# Altium PCB HallFM.PcbDoc (continued)
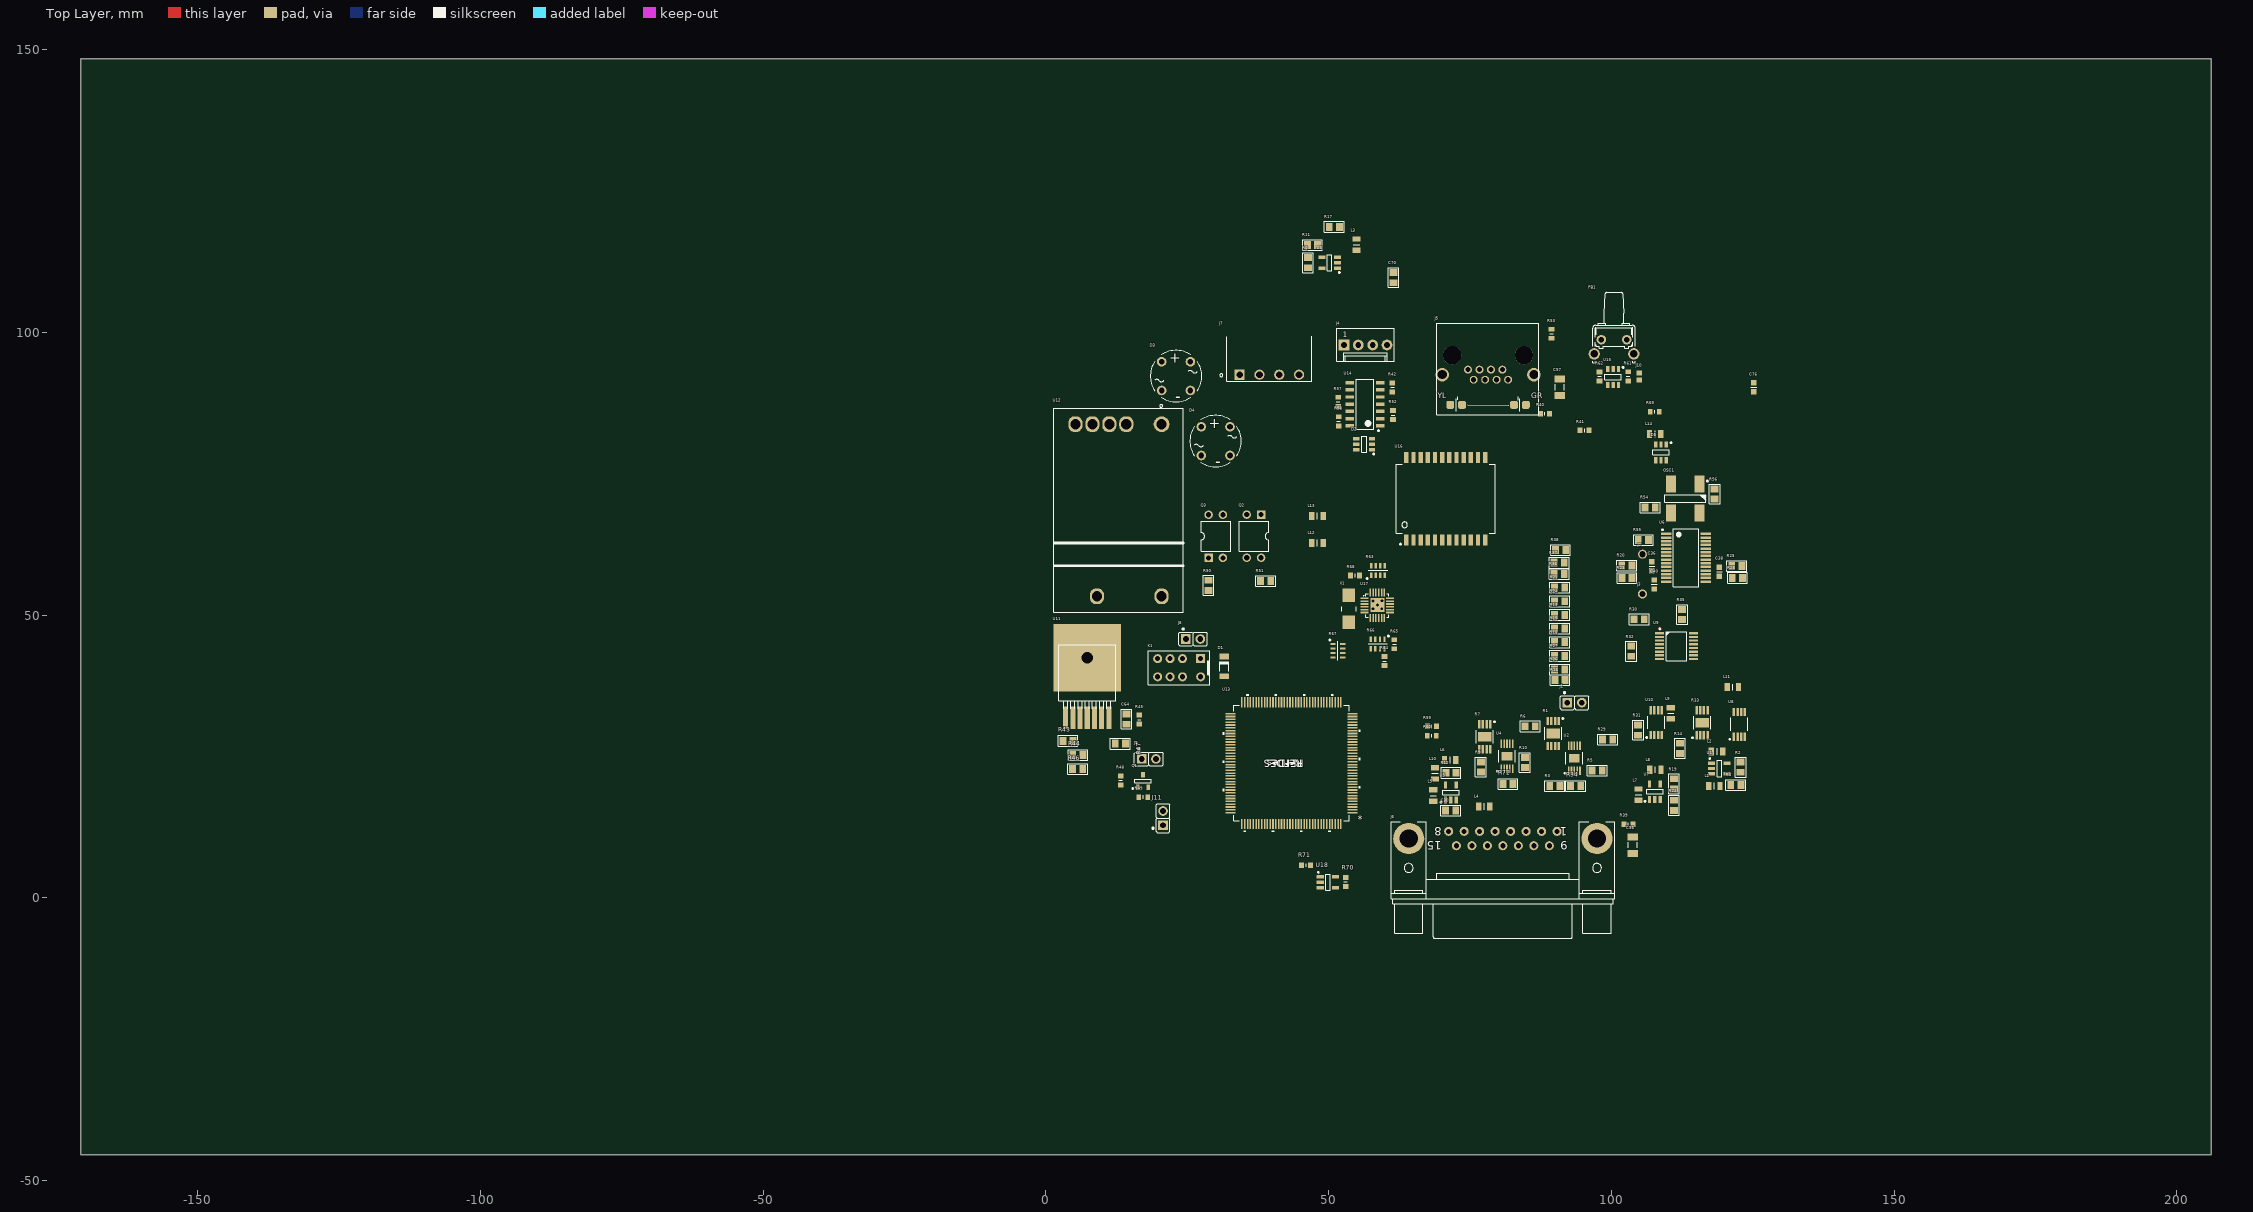
[diagram p0: Top Layer view]
## Components (designator, comment, footprint, x,y, rotation, side; value= is the part's Value field where it differs from the comment) (continued)
R41 "300" RESC1608X64N 95.25,82.65 r180 top
R42 ".100k" RESC1608X64N 61.25,90.25 r90 top
R43 "27k" SMD0805RES 2.898,27.748 r0 top
R44 "3k3" SMD0805RES 4.648,25.248 r0 top
R45 "4k7" RESC1608X64N 16.5,31.5 r270 top
R46 "1k5" SMD0805RES 6.602,22.752 r180 top
R47 "1k" SMD0805RES 14.152,27.252 r180 top
R48 "27k" RESC1608X64N 13.2,20.75 r270 top
R49 "27k" RESC1608X64N 17.2,17.8 r0 top
R50 "4k7" SMD0805RES 28.75,56.25 r270 top
R51 "20k" SMD0805RES 37.848,55.998 r0 top
R52 ".100" RESC1608X64N 61.375,85.35 r90 top
R53 ".100" RESC1608X64N 89.4,99.75 r90 top
R54 "0" SMD0805RES 107.852,69.002 r180 top
R55 "0" SMD0805RES 104.648,63.248 r0 top
R56 "1k" SMD0805RES 118.252,70.398 r90 top
R57 ".100" RESC1608X64N 51.675,87.7 r270 top
R58 ".100" RESC1608X64N 51.75,84.25 r90 top
R59 "1k5" RESC1608X64N 68.25,30.3 r0 top
R60 "1k5" RESC1608X64N 68.225,28.65 r180 top
R61 ".20k" RESC1608X64N 102.95,92.208 r90 top
R62 ".100k" RESC1608X64N 97.875,92.183 r270 top
R63 "49.9" CAY16x4 58.7,57.875 r90 top
R64 "10k" RESC1608X64N 59.875,41.85 r270 top
R65 "1k5" RESC1608X64N 61.6,44.825 r90 top
R66 "10k" CAY16x4 58.65,44.875 r270 top
R67 "33" CAY16x4 51.6,43.69 r0 top
R68 "12k1" RESC1608X64N 54.65,57 r0 top
R69 "10k" RESC1608X64N 107.65,85.95 r0 top
R70 "1k5" RESC1608X64N 53,2.8 r90 top
R71 "1k5" RESC1608X64N 46,5.75 r0 top
R72 "1k" SMD0805RES 82.702,20.102 r180 top
U1 "ADP7118-5.0-" SOT23-5 119.075,22.85 r0 top value=-5.0-
U2 "LT3042" SOP50P490X110-11N-R157X188 93.425,24.675 r90 top
U3 "ADP7118-5.0-" SOT23-5 50.175,112.3 r180 top value=-5.0-
U4 "LT3042" SOP50P490X110-11N-R157X188 81.525,25.025 r90 top
U5 "ADP7118-5.0-" SOT23-5 71.6,18.6 r90 top value=-5.0-
U6 "#NAME?" SOP65P780X200-28N 113.15,60.125 r0 top
U7 "ADP7118-3.3-" SOT23-5 107.675,18.75 r90 top value=-3.3-
U8 "LTC6655-2.5" SOP65P488X110-8N 122.625,30.675 r90 top value=-2.5
U9 "ADG1609" TSSOP-16 111.5,44.5 r0 top
U10 "ADA4522" SOP65P488X110-8N 107.925,30.975 r90 top
U11 "LMZ12003EXT" "NATIONAL_TO-PMOD-7 (TZA07A)" 7.3,37.154 r90 top
U12 "MYBSP0122BABFT+CB122BABFT" "MURATA_MYBSP0122BABFT_0 - DUPLICATE" 14.025,67.475 r270 top value=122BABFT
U13 "STM32F756ZGT6" LQFP-144_STM-M 43.4,23.8 r180 top
U14 "74HC14D" SOIC127P600X175-14N 56.4,87.275 r180 top
U15 "TPS38083V3" SOT95P270X145-6N 100.3,92.083 r270 top value=3V3
U16 "H5007NL" XFMR_PULSE_H5007NL 70.695,70.553 r90 top
U17 "LAN8742A-CZ" QFN24_0R5_4X4 58.6,51.795 r0 top
U18 "AT24C1616M5" SOT23-5 49.85,2.75 r0 top value=16M5
X1 "AA-25.000MHz" XTAL_AA 53.575,51.1 r270 top value=25.000MHz

## Footprints (in the part's own frame and the unit in brackets; to place one, negate y for a bottom-side part, rotate by r counter-clockwise, add the part's x,y. Pads: shape width x height; smd on the part's side, far side on the other; paste and mask are expansions set on the pad)
AMPHENOL_L717DFA15S1ATN [mm] "Right Angled D-Sub 15 Female Contacts with Metal Bracket and Front Female Screwlock (UNC4-40)"
  round 1.6 hole 0.9: 1(-9.59,-1.27) 2(-6.85,-1.27) 3(-4.11,-1.27) 4(-1.37,-1.27) 5(1.37,-1.27) 6(4.11,-1.27) 7(6.85,-1.27) 8(9.59,-1.27) 9(-8.22,1.27) 10(-5.48,1.27) 11(-2.74,1.27) 12(0,1.27) 13(2.74,1.27) 14(5.48,1.27) 15(8.22,1.27)
  round 5.5 hole 3.2: 16(-16.65,0) 17(16.65,0)
  silkscreen extent -19.75,-2.93 19.75,17.67, body extent -19.75,-2.93 19.75,17.67, height 13.45
CAPC1206 [mm]
  rect 1.2x1.8 smd: 1(-1.45,0) 2(1.45,0)
  silkscreen extent -0.5,-0.8 0.5,0.8, body extent -1.7,-0.9 1.7,0.9, height 0.7
CAPC1608X87N [mm]
  rect 0.95x1 smd: 1(-0.8,0) 2(0.8,0)
  silkscreen extent 0,-0.5 0,0.5, body extent -0.87,-0.47 0.88,0.48, height 0.87
CAY16x4 [mm] "Capacitor, Non-Polarized,Chip Array, 0.80mm Pitch; 8 Pin, 1.6mm W X 3.20mm L X 0.90mm H, IPC Medium Density"
  rect 0.95x0.4 smd: 1(-0.85,1.2) 2(-0.85,0.4) 3(-0.85,-0.4) 4(-0.85,-1.2) 5(0.85,-1.2) 6(0.85,-0.4) 7(0.85,0.4) 8(0.85,1.2)
  silkscreen extent -1.52,-1.7 0,2.02, body extent -0.87,-1.67 0.88,1.68, height 0.9
DIOMELF3515N [mm] "SOD80C, MELF Diode, 2-Leads, Body 3.5x1.5mm, IPC Medium Density"
  rect 1x1.75 smd: 1(-1.75,0) 2(1.75,0)
  silkscreen extent -0.85,-0.8 0.85,0.8, body extent -1.85,-0.8 1.85,0.8, height 1.6
DIP4-300 [mm] "DIP 4 Leads, Row Spacing 7.62 mm; Pitch 2.54 mm"
  rect 1.5x1.5 hole 0.9: 1(-3.81,1.27)
  round 1.5 hole 0.9: 2(-3.81,-1.27) 3(3.81,-1.27) 4(3.81,1.27)
  silkscreen extent -2.65,-2.61 2.65,2.61, body extent -3.93,-2.54 3.94,2.54, height 5.33
LQFP-144_STM-M [mil]
  rect 70x11 smd paste+0 mask+0: 1(-424,344.49) 2(-424,324.8) 3(-424,305.12) 4(-424,285.43) 5(-424,265.75) 6(-424,246.06) 7(-424,226.38) 8(-424,206.69) 9(-424,187.01) 10(-424,167.32) 11(-424,147.64) 12(-424,127.95) 13(-424,108.27) 14(-424,88.58) 15(-424,68.9) 16(-424,49.21) 17(-424,29.53) 18(-424,9.84) 19(-424,-9.84) 20(-424,-29.53) 21(-424,-49.21) 22(-424,-68.9) 23(-424,-88.58) 24(-424,-108.27) 25(-424,-127.95) 26(-424,-147.64) 27(-424,-167.32) 28(-424,-187.01) 29(-424,-206.69) 30(-424,-226.38) 31(-424,-246.06) 32(-424,-265.75) 33(-424,-285.43) 34(-424,-305.12) 35(-424,-324.8) 36(-424,-344.49) 73(424,-344.49) 74(424,-324.8) 75(424,-305.12) 76(424,-285.43) 77(424,-265.75) 78(424,-246.06) 79(424,-226.38) 80(424,-206.69) 81(424,-187.01) 82(424,-167.32) 83(424,-147.64) 84(424,-127.95) 85(424,-108.27) 86(424,-88.58) 87(424,-68.9) 88(424,-49.21) 89(424,-29.53) 90(424,-9.84) 91(424,9.84) 92(424,29.53) 93(424,49.21) 94(424,68.9) 95(424,88.58) 96(424,108.27) 97(424,127.95) 98(424,147.64) 99(424,167.32) 100(424,187.01) 101(424,206.69) 102(424,226.38) 103(424,246.06) 104(424,265.75) 105(424,285.43) 106(424,305.12) 107(424,324.8) 108(424,344.49)
  rect 11x70 smd paste+0 mask+0: 37(-344.49,-424) 38(-324.8,-424) 39(-305.12,-424) 40(-285.43,-424) 41(-265.75,-424) 42(-246.06,-424) 43(-226.38,-424) 44(-206.69,-424) 45(-187.01,-424) 46(-167.32,-424) 47(-147.64,-424) 48(-127.95,-424) 49(-108.27,-424) 50(-88.58,-424) 51(-68.9,-424) 52(-49.21,-424) 53(-29.53,-424) 54(-9.84,-424) 55(9.84,-424) 56(29.53,-424) 57(49.21,-424) 58(68.9,-424) 59(88.58,-424) 60(108.27,-424) 61(127.95,-424) 62(147.64,-424) 63(167.32,-424) 64(187.01,-424) 65(206.69,-424) 66(226.38,-424) 67(246.06,-424) 68(265.75,-424) 69(285.43,-424) 70(305.12,-424) 71(324.8,-424) 72(344.49,-424) 109(344.49,424) 110(324.8,424) 111(305.12,424) 112(285.43,424) 113(265.75,424) 114(246.06,424) 115(226.38,424) 116(206.69,424) 117(187.01,424) 118(167.32,424) 119(147.64,424) 120(127.95,424) 121(108.27,424) 122(88.58,424) 123(68.9,424) 124(49.21,424) 125(29.53,424) 126(9.84,424) 127(-9.84,424) 128(-29.53,424) 129(-49.21,424) 130(-68.9,424) 131(-88.58,424) 132(-108.27,424) 133(-127.95,424) 134(-147.64,424) 135(-167.32,424) 136(-187.01,424) 137(-206.69,424) 138(-226.38,424) 139(-246.06,424) 140(-265.75,424) 141(-285.43,424) 142(-305.12,424) 143(-324.8,424) 144(-344.49,424)
  silkscreen extent -479,-479 479,479, body extent -437,-437 437,437, height 63
Molex-43860-0010 [mm] "1 Port, 8 Positions, CAT5 RJ45 Modular Connector With Yellow And Green LEDs"
  round 3.25 hole 3.25 unplated: 0(-2.54,9.906) 0(-2.54,-2.794)
  round 1.4 hole 0.9: 1(0,0) 2(1.778,1.016) 3(0,2.032) 4(1.778,3.048) 5(0,4.064) 6(1.778,5.08) 7(0,6.096) 8(1.778,7.112)
  rrect50% 1.4x1.4 smd: 9(6.223,-3.124) 10(6.223,-1.041) 11(6.223,10.236) 12(6.223,8.153)
  round 2.4 hole 1.6: 13(0.889,-4.547) 14(0.889,11.659)
  silkscreen extent -8.22,-5.5 7.94,12.56, body extent -8.22,-5.5 7.94,12.56, height 2.75
"MURATA_MYBSP0122BABFT_0 - DUPLICATE" [mm]
  round 2.8 / inner rrect91% 2.8x2.2 / far side rrect91% 2.8x2.2 hole 1.8: 1(-16.27,6.42)
  rrect91% 2.8x2.5 hole 1.8: 2(-16.27,0.18) 3(-16.27,-2.82) 4(-16.27,-5.82) 5(-16.27,-8.82) 6(14.17,-5.01) 7(14.17,6.42)
  silkscreen extent -19.75,-12.65 16.95,10.25, body extent -18.77,-12.34 16.73,10.06, height 11.15
"NATIONAL_TO-PMOD-7 (TZA07A)" [mm] "TO-PMOD 7 Pin Package, NATIONAL Package TZA07A, 1.70mm pitch; 9.85mm L X 10.16mm W X 4.67mm H body"
  rect 4x0.89 smd: 1(-5.339,3.81) 2(-5.339,2.54) 3(-5.339,1.27) 4(-5.339,0) 5(-5.339,-1.27) 6(-5.339,-2.54) 7(-5.339,-3.81)
  rect 12x12 hole 2 unplated: 8(5.291,0)
  silkscreen extent -3.73,-5.08 7.57,5.08, body extent -6.2,-5.08 7.57,5.08, height 4.77
OSC_JAUCH_VX3 [mm] "SMD Oscillator, Side Convave, 4 pins, 5.00x7.00mm, VX3 Serie"
  rect 3x1.8 smd: 1(-2.6,2.54) 2(-2.6,-2.54) 3(2.6,-2.54) 4(2.6,2.54)
  silkscreen extent -3.22,-3.6 0.7,4.07, body extent -2.6,-3.6 2.6,3.6, height 1.75
PB_ALPS_SKHHLQA010 [mm] "Body 6x6mm, Stem height 8.35mm, Horizontal Pushbutton Switch, ALPS Serie SKHH"
  round 1.7 hole 1: 1(-1.25,-2.25) 2(-1.25,2.25)
  round 2 hole 1.3: 3(1.25,-3.5) 4(1.25,3.5)
  silkscreen extent -9.6,-3.75 2.8,3.75, body extent -9.6,-4.25 2.8,4.25, height 7.4
PCBJumper [mm]
  rect 0.85x1 smd: 1(-0.6,0) 2(0.6,0)
PLS1 [mm]
  round 1.6 hole 1.1: 1(0,0)
PLS2 [mm] "2 Contacts Straight Strip Header Pitch 2.54mm L=6.7mm ''Mini-Wire-Wrap''"
  rect 1.7x1.7 hole 1: 1(0,0)
  round 1.7 hole 1: 2(2.54,0)
  silkscreen extent -1.27,-1.23 3.81,1.93, body extent -1.22,-1.25 3.86,1.25, height 9.5
QFN24_0R5_4X4 [mm] "SQFN 24 Pins, Pitch 0.5mm, 4mmx4mm"
  rect 1.4x0.28 smd: 1(-2.255,1.15) 2(-2.255,0.65) 3(-2.255,0.15) 4(-2.255,-0.35) 5(-2.255,-0.85) 6(-2.255,-1.35) 13(2.255,-1.35) 14(2.255,-0.85) 15(2.255,-0.35) 16(2.255,0.15) 17(2.255,0.65) 18(2.255,1.15)
  rect 0.28x1.4 smd: 7(-1.25,-2.355) 8(-0.75,-2.355) 9(-0.25,-2.355) 10(0.25,-2.355) 11(0.75,-2.355) 12(1.25,-2.355) 19(1.25,2.155) 20(0.75,2.155) 21(0.25,2.155) 22(-0.25,2.155) 23(-0.75,2.155) 24(-1.25,2.155)
  rect 2.5x2.5 smd: 25(0,0)
  silkscreen extent -2.46,-2.15 2.05,1.95, body extent -2.05,-2.15 2.05,1.95, height 1
RECTRON_RB15 [mm] "Bridge Rectifier, Body 9.1mm diam. x 3.8mm H, RECTRON Case Type RB15"
  round 1.7 hole 1: 1(-2.54,2.54) 2(-2.54,-2.54) 3(2.54,-2.54) 4(2.54,2.54)
  silkscreen extent -4.55,-4.55 4.55,4.55, body extent -4.55,-4.55 4.55,4.55, height 11.7
REL_OMRON_G6J-2P-Y [mm] "THT Relay, Body 10.9mm x 6mm, OMRON_G6J-2P"
  rect 1.6x1.6 hole 0.9: 1(-3.8,-1.6)
  round 1.6 hole 0.9: 2(-0.6,-1.6) 3(1.6,-1.6) 4(3.8,-1.6) 5(3.8,1.6) 6(1.6,1.6) 7(-0.6,1.6) 8(-3.8,1.6)
  silkscreen extent -5.45,-3 5.45,3, body extent -5.45,-3 5.45,3, height 9.3
RESC1608X64N [mm]
  rect 0.85x1 smd: 1(-0.8,0) 2(0.8,0)
  silkscreen extent 0,-0.3 0,0.3, body extent -0.87,-0.47 0.88,0.48, height 0.64
RESC2012X50N [mm]
  rect 0.95x1.45 smd: 1(-1,0) 2(1,0)
  silkscreen extent 0,-0.55 0,0.55, body extent -1.1,-0.67 1.1,0.68, height 0.5
SMD0805CAP [mm]
  rect 1.2x1.4 smd: 1(0.102,0.002) 2(1.902,0.002)
  silkscreen extent -0.75,-0.95 2.75,0.95, body extent -0.02,-0.67 2.08,0.68, height 0.9
SMD0805RES [mm]
  rect 1.2x1.4 smd: 1(0.102,0.002) 2(1.902,0.002)
  silkscreen extent -0.75,-0.95 2.75,0.95, body extent 0,-0.63 2,0.63, height 0.51
SOIC127P600X175-14N [mm] "SOIC 14, Pitch 1.27mm - Body 4x8.75mm, IPC Medium Density"
  rect 1.55x0.6 smd: 1(-2.7,3.81) 2(-2.7,2.54) 3(-2.7,1.27) 4(-2.7,0) 5(-2.7,-1.27) 6(-2.7,-2.54) 7(-2.7,-3.81) 8(2.7,-3.81) 9(2.7,-2.54) 10(2.7,-1.27) 11(2.7,0) 12(2.7,1.27) 13(2.7,2.54) 14(2.7,3.81)
  silkscreen extent -2.53,-4.4 1.55,4.78, body extent -3.1,-4.37 3.1,4.38, height 1.75
SOP50P490X110-11N-R157X188 [mm] "SOP, 0.50mm, pitch; 10 pin, 3.00mm W X 3.00mm L X 1.10mm H body (w/thermal tab  1.57 X 1.88 mm), IPC Medium Density"
  rect 1.45x0.3 smd: 1(-2.2,1) 2(-2.2,0.5) 3(-2.2,0) 4(-2.2,-0.5) 5(-2.2,-1) 6(2.2,-1) 7(2.2,-0.5) 8(2.2,0) 9(2.2,0.5) 10(2.2,1)
  rect 1.57x1.88 smd: 11(0,0)
  silkscreen extent -2.77,-1.5 1.1,1.77, body extent -2.45,-1.55 2.45,1.55, height 1.1
SOP65P488X110-8N [mm] "SOP, 8-Leads, Body 3x3mm (max), Pitch 0.65mm, IPC Medium Density"
  rect 1.45x0.45 smd: 1(-2.2,0.975) 2(-2.2,0.325) 3(-2.2,-0.325) 4(-2.2,-0.975) 5(2.2,-0.975) 6(2.2,-0.325) 7(2.2,0.325) 8(2.2,0.975)
  silkscreen extent -2.77,-1.5 1.12,1.82, body extent -2.45,-1.55 2.45,1.55, height 1.1
SOP65P488X110-9N-R178X241 [mm] "SOP, 8-Leads, Body 3x3mm (max), Pitch 0.65mm, (w/thermal tab 2 .41 X 1.78 mm), IPC Medium Density"
  rect 1.45x0.45 smd: 1(-2.2,0.975) 2(-2.2,0.325) 3(-2.2,-0.325) 4(-2.2,-0.975) 5(2.2,-0.975) 6(2.2,-0.325) 7(2.2,0.325) 8(2.2,0.975)
  rect 1.75x2.4 smd: 9(0,0)
  silkscreen extent -2.77,-1.5 1.12,1.83, body extent -2.45,-1.55 2.45,1.55, height 1.1
SOP65P780X200-28N [mm] "SOP, 0.65mm Pitch; 28 Pin, 5.30mm W X 10.20mm L X 2.00mm H Body, IPC Medium Density"
  rect 1.85x0.45 smd: 1(-3.5,4.225) 2(-3.5,3.575) 3(-3.5,2.925) 4(-3.5,2.275) 5(-3.5,1.625) 6(-3.5,0.975) 7(-3.5,0.325) 8(-3.5,-0.325) 9(-3.5,-0.975) 10(-3.5,-1.625) 11(-3.5,-2.275) 12(-3.5,-2.925) 13(-3.5,-3.575) 14(-3.5,-4.225) 15(3.5,-4.225) 16(3.5,-3.575) 17(3.5,-2.925) 18(3.5,-2.275) 19(3.5,-1.625) 20(3.5,-0.975) 21(3.5,-0.325) 22(3.5,0.325) 23(3.5,0.975) 24(3.5,1.625) 25(3.5,2.275) 26(3.5,2.925) 27(3.5,3.575) 28(3.5,4.225)
  silkscreen extent -4.27,-5.1 2.25,5.1, body extent -4.11,-5.25 4.11,5.25, height 2
SOT23-5 [mm] "SOT, 0.95mm Pitch; 5 Pin,1.55mm W X 2.90mm L X 1.45mm H body, IPC Medium Density"
  rect 1.25x0.6 smd: 1(-1.35,0.95) 2(-1.35,0) 3(-1.35,-0.95) 4(1.35,-0.95) 5(1.35,0.95)
  silkscreen extent -1.82,-1.45 0.4,1.87, body extent -1.35,-1.45 1.35,1.45, height 1.45
SOT95P229X119-3N [mm] "SOT23 3-Leads, 0.95mm pitch; 3 pin, 1.296mm W X 2.858mm L X 1.194mm H body, IPC Medium Density"
  rect 1x0.65 smd: 1(-1.1,0.95) 2(-1.1,-0.95) 3(1.1,0)
  silkscreen extent -1.47,-1.45 0.28,1.92, body extent -1.25,-1.5 1.25,1.5, height 1.19
SOT95P270X145-6N [mm] "SOT, 0.95mm Pitch; 6 Pin,1.55mm W X 2.90mm L X 1.45mm H body, IPC Medium Density"
  rect 1.1x0.6 smd: 1(-1.4,0.95) 2(-1.4,0) 3(-1.4,-0.95) 4(1.4,-0.95) 5(1.4,0) 6(1.4,0.95)
  silkscreen extent -1.83,-1.45 0.45,1.87, body extent -1.35,-1.45 1.35,1.45, height 1.45
TE_284512-4 [mm]
  rect 1.8x1.8 / inner round 1.8 / far side rect 1.8x1.8 hole 1.2: 1(-5.25,0)
  round 1.8 hole 1.2: 2(-1.75,0) 3(1.75,0) 4(5.25,0)
  silkscreen extent -8.76,-1.2 7.5,6.8, body extent -8,-1.2 8,8, height 7.25
TSSOP-16 [mm]
  rect 1.6x0.4 smd: 1(-3.025,2.275) 2(-3.025,1.625) 3(-3.025,0.975) 4(-3.025,0.325) 5(-3.025,-0.325) 6(-3.025,-0.975) 7(-3.025,-1.625) 8(-3.025,-2.275) 9(3.025,-2.275) 10(3.025,-1.625) 11(3.025,-0.975) 12(3.025,-0.325) 13(3.025,0.325) 14(3.025,0.975) 15(3.025,1.625) 16(3.025,2.275)
  Top Layer circle w0.25: c-2.95,3.1 r0.125
  silkscreen extent -3.07,-2.55 1.85,3.17, body extent -3.12,-2.55 3.12,2.55, height 1.2
WF4_2_54 [mm] "2.54mm (.100\") Pitch KK® Header, Single Row, Vertical, 4 Circuits"
  rect 1.9x1.9 hole 1: 1(-3.81,0)
  round 1.9 hole 1: 2(-1.27,0) 3(1.27,0) 4(3.81,0)
  silkscreen extent -5.08,-2.88 5.08,2.92, body extent -5.08,-2.88 5.08,2.92, height 11.7
XFMR_PULSE_H5007NL [mm] "10/100BASE-T Magnetics Modules, Body 12.2 x 17.53mm"
  rect 1.905x0.76 smd: 1(-7.302,6.985) 2(-7.302,5.715) 3(-7.302,4.445) 4(-7.302,3.175) 5(-7.302,1.905) 6(-7.302,0.635) 7(-7.302,-0.635) 8(-7.302,-1.905) 9(-7.302,-3.175) 10(-7.302,-4.445) 11(-7.302,-5.715) 12(-7.302,-6.985) 13(7.302,-6.985) 14(7.302,-5.715) 15(7.302,-4.445) 16(7.302,-3.175) 17(7.302,-1.905) 18(7.302,-0.635) 19(7.302,0.635) 20(7.302,1.905) 21(7.302,3.175) 22(7.302,4.445) 23(7.302,5.715) 24(7.302,6.985)
  silkscreen extent -8.15,-8.76 6.1,8.76, body extent -8,-8.76 8,8.77, height 5.72
XTAL_AA [mm] "Resonator 5x3.mm 2pin"
  rect 2.4x2.2 smd: 1(-2.4,0) 2(2.4,0)
  silkscreen extent -0.4,-1.27 0.4,1.27, body extent -2.5,-1.6 2.5,1.6, height 1.3

## Part data
C1 C2 C3 C4 C5 C6 C7 C8 C9 C10 C11 C12 C13 C14 C15 C16 C17 C18 C19 C20 C21 C22 C23 C27 C28 C29 C30 C32 C33 C34 C35 C39 C41 C42 C43 C44 C46 C54 C62 C64 C65 C70 C79 C86: library part C0805, "Чип конденсатор 0805", DielectricType=X5R, Tolerance=20%, Voltage=25V, Device=Cap0805, Pkg=SMD0805, Price=2, SMD Solders=2, Solder Option=RM, Vendor=Vishay
  C54: Name to order=ECHU1C332JX5
C24: library part C0805, "Чип конденсатор 0603", DielectricType=X5R, Tolerance=20%, Voltage=50V, Device=Cap603, Pkg=SMD0603, Price=2, SMD Solders=2, Solder Option=RM, Vendor=Vishay
C25 C26 C31 C36 C37 C38 C40 C47 C48 C49 C50 C51 C52 C53 C55 C58 C59 C60 C61 C66 C67 C68 C69 C71 C72 C73 C74 C76 C77 C78 C80 C82 C83 C84 C85 C89 C90 C91 C92 C93 C94 C95 C96 C97 C98 C99 C100 C101 C102 C103 C104 C105: library part C0603, "Чип конденсатор 0603", DielectricType=X5R, Tolerance=20%, Voltage=50V, Device=Cap603, Pkg=SMD0603, Price=2, SMD Solders=2, Solder Option=RM, Vendor=Vishay
C45: library part C1206, "Чип конденсатор 1206", DielectricType=X5R, Tolerance=1%, Voltage=16V, Device=Cap1206, Name to order=ECHU1C333JX5, Pkg=SMD1206, Price=2, SMD Solders=2, Solder Option=RM, Vendor=Vishay
C56 C57: library part C1206, "Чип конденсатор 1206", DielectricType=X5R, Tolerance=1%, Voltage=1000V, Device=Cap1206, Pkg=SMD1206, Price=2, SMD Solders=2, Solder Option=RM, Vendor=Vishay
C63 C75: library part C1206, "Чип конденсатор 1206", DielectricType=X5R, Tolerance=1%, Voltage=25V, Device=Cap1206, Pkg=SMD1206, Price=2, SMD Solders=2, Solder Option=RM, Vendor=Vishay
C81 C87 C88: library part C0603, "Чип конденсатор 0603", DielectricType=NPO, Tolerance=20%, Voltage=50V, Device=Cap603, Pkg=SMD0603, Price=2, SMD Solders=2, Solder Option=RM, Vendor=Vishay
D1: "Fast diode", Current=150, Voltage=100, Device=DL4448, Name to order=SF18, Pkg="MiniMelf (DL35)", Price=10, SMD Solders=2, Solder Option=RM, Vendor="Shenzhen Luguang Electronic Technology"
D2 D5: library part IP4220, "Optotransistor", Current=0, Voltage=6V, Device=IP4220CZ6, Name to order=IP4220CZ6, Pkg=SOT23-6, Price=10, SMD Solders=6, Solder Option=RM, THD Solders=0, Vendor=NXP
D3 D4: "Diode Bridge Rectifier", Voltage=200V, Device=W02G, Name to order=W02G, Pkg=W02G, Price=20, SMD Solders=0, Solder Option=RM, THD Solders=4, Vendor=multicomp
J2 J3: library part PLS1, "Штырь PLS1", Device=PLS1, Price=1, SMD Solders=0, Solder Option=RM, THD Solders=1, Vendor=Confly
J4 J7: "Вилка  WF4", SMD Solders=0, Solder Option=RM, THD Solders=4
  J4: Device=WF4, Price=20, Vendor=Confly
  J7: Device=15EDGRC-3.5-04P-14, Name to order=15EDGRC-3.5-04P-14, Price=50, Vendor=Degson
J5: "1 Port, 8 Positions, CAT5 RJ45 Modular Connector With Yellow And Green fibers for LEDs", Device=Molex_438600010, Name to order=438600010, Pkg=Molex_438600010, Price=320, SMD Solders=4, Solder Option=RM, THD Solders=10, Vendor=Molex
J6: library part D_SUB_15F, "Вилка  DSUB 9 угловая", Device=DBR-15F, Name to order="DRB- 15MA (DBR-15F) (DS1037-15F)", Price=50, SMD Solders=0, Solder Option=RM, THD Solders=17, Vendor=Connfly
J8: library part PLS2, "PLS2", Device=PLS2, Price=1, SMD Solders=0, Solder Option=RM, THD Solders=2, Vendor=Confly
J10: "PLS2", Device=JmpPCB, Price=1, SMD Solders=1, Solder Option=i, THD Solders=0, Vendor=-
K1: library part "G6J-2P-Y 12VDC", "Электромагнитное реле", Current=9mA, Voltage=110V, Device=G6J-2P-Y, Name to order="G6J-2P-Y 12VDC", Pkg=11x6mm, Price=200, SMD Solders=0, Solder Option=RM, THD Solders=8, Vendor=Omron
L1 L2 L3 L4 L5 L6 L7 L8 L9 L10 L11 L12 L13 L14: library part BLM21, "SMD Ferrite bead 0805", Device=BLM21, Pkg=SMD0805, Price=10, SMD Solders=2, Solder Option=RM, Vendor=Vishay
OSC1: library part DSC1004, "Генератор кварцевый", Current=0, Device=DSC1001/3/4, Name to order=DSC1004AI2-004.9152, Pkg=7x5mm, Price=400, SMD Solders=2, Solder Option=RM, THD Solders=0, Vendor=Microchip
PB1: library part PBAngle, "Push Button Angle NO", Device=PushButt, Name to order=2-1825027-0, Pkg=7x7mm, Price=1, SMD Solders=0, Solder Option=RM, THD Solders=4, Vendor="TE Conn"
Q1: "PMOS", Voltage=-30V, Device=AO3407A, Name to order=AO3407A, Pkg=SOT23, Price=10, SMD Solders=3, Solder Option=RM, THD Solders=0, Vendor=UMW
Q2 Q3: "Optotransistor", Current=0, Voltage=35V, Device=817B, Name to order=817B, Pkg=DIP4, Price=10, SMD Solders=0, Solder Option=RM, THD Solders=4, Vendor=UMW
R1 R7: library part LT5400, "4 прецизионных резистора", Tolerance=0..025%, Device=LT5400, Name to order=LT5400BMPMS8E-6#PBF, Pkg="MSOP 9-0.65", Price=2, Pwr=40C/W, SMD Solders=0, Solder Option=i, TC=200ppb/C, THD Solders=0, Vendor="Analog Devices"
R2 R3 R4 R5 R8 R9 R10 R11 R12 R13 R14 R15 R16 R17 R18 R19 R20 R21 R22 R23 R24 R25 R26 R27 R28 R29 R30 R31 R32 R34 R35 R36 R37 R38 R43 R44 R46 R47 R50 R51 R54 R55 R56 R72: library part R0805, "Чип резистор 0805", Tolerance=1%, Device=Res0805, Pkg=SMD0805, Price=2, Pwr=125mW, SMD Solders=2, TC=100ppm/C, Vendor=Vishay
  R2 R3 R4 R5 R8 R9 R10 R12 R13 R15 R16 R17 R18 R19 R20 R23 R24 R25 R26 R27 R28 R29 R30 R31 R32 R34 R35 R36 R37 R38 R43 R44 R46 R47 R50 R51 R54 R72: Solder Option=RM
  R11 R14 R21 R22 R55 R56: Solder Option=DNP
R6: library part Y1172, "Прецизионный чип резистор 0805", Tolerance=1%, Device=Y1172, Name to order=Y1172200R0000xxx, Pkg=SMD0805, Price=2, Pwr=125mW, SMD Solders=2, Solder Option=RM, TC=2ppm/C, Vendor=Vishay
R33: library part LT5400_7, "4 прецизионных резистора", Tolerance=0..025%, Device=LT5400, Name to order=LT5400BMPMS8E-7#PBF, Pkg="MSOP 9-0.65", Price=2, Pwr=40C/W, SMD Solders=0, Solder Option=i, TC=200ppb/C, THD Solders=0, Vendor="Analog Devices"
R39 R40 R41 R42 R45 R48 R49 R52 R53 R57 R58 R59 R60 R61 R62 R64 R65 R68 R69 R70 R71: library part R0603, "Чип резистор 0603", Tolerance=1%, Device=Res603, Pkg=SMD0603, Price=2, Pwr=60mW, SMD Solders=2, TC=100ppm/C, Vendor=Vishay
  R39 R40 R41 R42 R45 R48 R52 R53 R57 R58 R59 R60 R61 R62 R64 R65 R68 R69 R70 R71: Solder Option=RM
  R49: Solder Option=DNP
R63 R66 R67: library part CAY16, "Сборка из 4х чип резисторов", Tolerance=5%, Device=CAY16, Pkg=so8-80, Price=2, Pwr=60mW, SMD Solders=8, Solder Option=RM, TC=200ppm/C, THD Solders=0, Vendor=Bourns
  R63: Name to order="CAY16-510j4  or CAY16-510F4"
  R66: Name to order=CAY16-10k0j4
  R67: Name to order=CAY16-330j4
U1 U3 U5 U7: library part ADP7118, "Positive LDO Linear stabilizer", Device=ADP7118, Pkg=SOT23-5, Price=100, SMD Solders=5, Solder Option=RM, Vendor="Analog Devoces"
  U1 U3 U5: Name to order=ADP7118AUJZ-5.0-R7
  U7: Name to order=ADP7118AUJZ-3.3-R7
U2 U4: "Current source v 100uA ref", Current=200ma, Tolerance=1%, Voltage="max 20V", Device=LT3042, Name to order=LT3042EMSE, Pkg="MSOP10 PowPad", Price=1200, SMD Solders=11, Solder Option=DiY, TC=10ppm/C, THD Solders=0, Vendor="Analog Devices Inc"
U6: library part ADS1234, "АЦП", Current=3, Voltage="2V7 to 5V3", Device=ADS1234, Name to order=ADS1234IPWR, Pkg=SOIC8_EP, Price=1500, SMD Solders=28, Solder Option=RM, TC=10-300nV/C, THD Solders=0, Vendor="Texas  Instruments"
U8: library part LTC6655B-5, "Low noise precision reference,", Voltage=max13.2V, Device=LTC6655, Name to order=LTC6655LNBHMS8-2.5, Pkg=MSOP65-8, Price=6000, SMD Solders=8, Solder Option=RM, TC=2ppm/C, Vendor="Analog Devices Inc"
U9: "Мультиплексор аналоговый дифференциальный 4 канала", Current=0, Device=ADG1609, Name to order=ADG1608BRUZ, Pkg=TSSOP65-16, Price=700, SMD Solders=16, Solder Option=RM, THD Solders=0, Vendor="Analog Devoces"
U10: "Op amp", Current=1, Voltage="+-5 to +-27.5V", Device=ADA4522, Pkg=MASOP8-65, Price=600, SMD Solders=8, Solder Option=RM, TC=1uV/C, Vendor="Analog Devices Inc"
U11: library part LMZ12003, "DC-DC Power Module", thVoltage=-, Device=LMZ12003, Name to order=LMZ12003EXT, Pkg="NDW 7", PkgCode=EXT, Price=11000, SMD Solders=8, Solder Option=EXT, THD Solders=0, Vendor="Texas Instruments"
U12: library part MYBSP0122BABFT, "POE isolated DC-DC 24W", Voltage=+12V, Device=MYBSP0122BABFT+CB, Name to order=MYBSP0, Pkg=35x23mm, Price=1000, SMD Solders=7, Solder Option=RM, THD Solders=0, Vendor=Murata
U13: "High-performance and DSP with FPU, Arm Cortex-M7 MCU with 1 Mbyte of Flash memory, 216 MHz CPU, Art Accelerator, L1 cache, HW crypto, SDRAM, TFT", Manufacturer_Name=STMicroelectronics, Copyright="Copyright (C) 2025 Ultra Librarian. All rights reserved.", Datasheet=https://www.st.com/resource/en/datasheet/stm32f756bg.pdf, Manufacturer_Part_Number=STM32F756ZGT6, Pkg=LQFP144, Price=4000, RefDes=RefDes, SMD Solders=144, THD Solders=0, Type=Type
U14: "6 триггеров Шмита с инверсией.", Voltage="2.. 6V", Device=74HC14D, Name to order=74HC14D, Pkg=SOIC14, Price=50, SMD Solders=14, Solder Option=RM, Vendor=NXP
U15: library part TPS3808, "Supervisory Circuit. Low-Quiescent-Current, Programmable-Delay", Current=6uA, thVoltage=3070mV, Device=TPS3808, Name to order=TPS3808G33DBV, Pkg=SOT23-6, Price=200, SMD Solders=6, Solder Option=RM, THD Solders=0, Vendor="Texas Instruments"
U16: "Ethernet transformer IEEE 802.3", Current=0, Device=H5007NL, Name to order=H5007NL, Pkg=SO24-1.27, Price=400, SMD Solders=24, Solder Option=RM, THD Solders=0, Vendor=Yageo
U17: library part LAN8742, "Supervisory Circuit. Low-Quiescent-Current, Programmable-Delay", Current=6uA, Device=LAN8742A-CZ, Name to order=LAN8742A-CZ, Pkg=VQFN25-0.50, Price=700, SMD Solders=25, Solder Option=i, THD Solders=0, Vendor=MicroChip
U18: library part AT24C, "Isolateted DC DC 5V->5V or 3V3 60mA", Current=2uA/2mA, Device=AT24C16, Name to order=AT24C16M5/TR, Pkg=SOT23-5, Price=20, SMD Solders=5, Solder Option=RM, THD Solders=0, Vendor=HGSemi
X1: library part AA-25, "Резонатор кварцевый", Current=0, Device=AA-, Name to order=AA-25.000MALE-T, Pkg=5x3,2, Price=300, SMD Solders=2, Solder Option=RM, THD Solders=0, Vendor=TXS
J1 J9 J11: Device=PLS2, Price=1, SMD Solders=0, Solder Option=RM, THD Solders=2, Vendor=Confly

## Via types
v1: diameter 0.9, hole 0.5, Top Layer to Bottom Layer, 5 vias

## Nets (pads, with @x,y where several pads share a name; then routed paths per layer and width w, separated by ;. In a path a pad name is that pad's centre, name@x,y a point inside that pad or via, vN(x,y) a via of type N, cw(c..) or ccw(c..) an arc to the next point about the centre after c; other vN are vias at no path point)
1+: C37.2 C47.2 R20.2 U6.11
1-: C37.1 C48.2 R23.2 U6.12
2+: C38.2 C49.2 R25.2 U6.18
2-: C38.1 C50.2 R28.2 U6.17
2V5ref: C31.2 L11.2 R33.1 U6.20
3+: C40.2 C51.2 R29.2 U6.13
3-: C40.1 C52.2 R30.2 U6.14
3V3: C60.2 C61.2 C64.2 C65.2 C75.2 J6.8 L12.1 L13.1 R45.1 U11.7
"3V3 Ethernet": C74.2 C76.2 L13.2 L14.2 R64.1 R65.1 R66.5 R66.7 R66.8
3V3D_ADC: C26.1 L8.2 U6.1
3V3uC: C67.2 C68.2 C69.2 C72.2 C73.2 C89.2 C90.2 C91.2 C92.2 C93.2 C94.2 C95.2 C96.2 C97.2 C98.2 C99.2 C100.2 C101.2 C102.2 C103.2 C104.2 C105.1 D2.5 L12.2 OSC1.4 R51.2 R56.1 R59.1 R60.1 R61.1 R62.1 R70.2 R71.2 U13.6 U13.17 U13.30 U13.32 U13.33 U13.39 U13.52 U13.62 U13.71 U13.72 U13.84 U13.95 U13.106 U13.108 U13.121 U13.131 U13.144 U14.14 U15.5 U15.6 U18.4
4+: C45.2 C53.2 R32.2 U6.16
4-: C45.1 C54.2 R35.2 U6.15
5VA_ADC: C25.1 C55.2 L6.2 U6.22 U9.14
+12V_MW: J8.1 J9.2 K1.4 Q1.2 R50.2
+12V_POE: K1.2 U12.7
GND: C1.2 C2.2 C3.1 C4.1 C5.1 C6.1 C7.1 C8.1 C9.1 C10.1 C11.1 C12.1 C13.2 C14.2 C15.1 C16.1 C17.1 C18.1 C19.1 C20.1 C21.1 C22.1 C23.1 C24.1 C25.2 C26.2 C27.1 C28.1 C29.1 C30.1 C31.1 C32.1 C33.1 C34.1 C35.1 C39.1 C41.1 C42.1 C43.1 C44.1 C46.1 C47.1 C48.1 C49.1 C50.1 C51.1 C52.1 C53.1 C54.1 C55.1 C56.1 C57.1 C58.1 C59.1 C60.1 C61.1 C62.1 C63.1 C65.1 C66.1 C67.1 C68.1 C69.1 C71.2 C72.1 C73.1 C74.1 C75.1 C76.1 C77.1 C78.1 C79.1 C80.1 C81.1 C82.1 C83.1 C84.1 C85.1 C86.1 C87.2 C88.2 C89.1 C90.1 C91.1 C92.1 C93.1 C94.1 C95.1 C96.1 C97.1 C98.1 C99.1 C100.1 C101.1 C102.1 C103.1 C104.1 C105.2 D1.2 D2.2 D5.2 J1.2 J4.1 J6.15 J7.3 J7.4 J11.2 K1.8 OSC1.2 PB1.2 Q2.3 Q3.2 R1.9 R4.1 R5.1 R7.9 R10.1 R11.1 R14.1 R21.2 R22.1 R33.7 R34.1 R39.2 R40.1 R41.1 R42.1 R46.2 R47.2 R49.2 R66.6 R68.1 R69.2 R72.1 U1.2 U2.4 U2.6 U2.8 U2.11 U3.2 U4.4 U4.6 U4.8 U4.11 U5.2 U6.2 U6.5 U6.6 U6.19 U6.21 U7.2 U8.3 U8.4 U8.5 U8.8 U9.3 U9.5 U9.6 U9.10 U9.12 U9.15 U10.4 U11.8 U12.6 U13.16 U13.31 U13.38 U13.51 U13.61 U13.83 U13.94 U13.107 U13.120 U13.130 U14.5 U14.7 U14.9 U15.2 U17.25 U18.2
  other v1: 57.85,51.095 59.375,51.095 58.6,51.795 57.825,52.47 59.4,52.52
Hal_current_2mA: C3.2 C8.2 J6.2 R1.2 R1.3 R1.4 U2.9
iT+: C15.2 C20.2 J6.9 R7.2 R7.3 R7.8 U4.9 U9.4
iT-: J6.10 J11.1 U9.13
NetC1_1: C1.1 C2.1 R1.6 R1.7 U2.10
NetC4_2: C4.2 C5.2 L1.2 U1.1 U1.3
NetC6_2: C6.2 C7.2 L2.1 L4.1 R2.2 U1.5
NetC9_2: C9.2 C10.2 L2.2 R3.1 U2.1 U2.2
NetC11_2: C11.2 C12.2 R1.1 U2.7
NetC13_1: C13.1 C14.1 R7.6 R7.7 U4.10
NetC16_2: C16.2 C17.2 L3.2 U3.1 U3.3
NetC18_2: C18.2 C19.2 R8.2 U3.5
NetC21_2: C21.2 C22.2 L4.2 R9.1 U4.1 U4.2
NetC23_2: C23.2 C24.2 R7.1 U4.7
NetC27_2: C27.2 C28.2 L5.2 U5.1 U5.3
NetC29_2: C29.2 C30.2 L6.1 R12.2 U5.5
NetC32_2: C32.2 C33.2 L7.2 U7.1 U7.3
NetC34_2: C34.2 C35.2 L8.1 R19.2 U7.5
NetC36_1: C36.1 J3.1 U6.10
NetC36_2: C36.2 J2.1 U6.9
NetC39_2: C39.2 L9.1 U10.7
NetC41_2: C41.2 C42.2 L11.1 U8.7
NetC43_2: C43.2 U8.6
NetC44_2: C44.2 L10.2 U8.1 U8.2
NetC46_2: C46.2 R33.2 R33.8 U10.3
NetC56_2: C56.2 J6.17 R39.1
NetC57_2: C57.2 J5.13 J5.14 R42.2
NetC58_2: C58.2 C59.2 C62.2 C63.2 R43.1 R44.1 U11.1
NetC64_1: C64.1 R45.2 R47.1 U11.6
NetC66_2: C66.2 U11.5
NetC80_2: C80.2 C84.2 C86.2 U17.9
NetC81_2: C81.2 C83.2 U17.6
NetC87_1: C87.1 U17.4 X1.1
NetC88_1: C88.1 U17.5 X1.2
NetD1_1: D1.1 J8.2 K1.1
NetD2_1: D2.1 R58.1 U14.13
NetD2_3: D2.3 R53.1 U14.4
NetD2_4: D2.4 R57.1 U14.11
NetD2_6: D2.6 R52.1 U14.2
NetD3_1: D3.1 D4.1 U12.1
NetD3_2: D3.2 U16.24
NetD3_3: D3.3 D4.3 Q3.3 U12.5
NetD3_4: D3.4 J5.6 U16.16
NetD4_2: D4.2 U16.15
NetD4_4: D4.4 U16.21
NetJ1_1: J1.1 R6.1 R30.1
NetJ4_2: J4.2 R53.2
NetJ4_3: J4.3 R58.2
NetJ5_1: J5.1 U16.23
NetJ5_2: J5.2 U16.22
NetJ5_3: J5.3 U16.17
NetJ5_4: J5.4 U16.20
NetJ5_5: J5.5 U16.19
NetJ5_7: J5.7 U16.14
NetJ5_8: J5.8 U16.13
NetJ5_9: J5.9 U17.3
NetJ5_10: J5.10 R40.2
NetJ5_11: J5.11 R69.1 U17.2
NetJ5_12: J5.12 R41.2
NetJ6_1: J6.1 R6.2 R29.1
NetJ7_1: J7.1 J7.2 J9.1 Q1.3 R48.1
NetJ10_1: J10.1 U17.15
NetK1_3: K1.3 L1.1 L3.1 L5.1 L7.1 L9.2 L10.1
NetOSC1_1: OSC1.1 R56.2
NetOSC1_3: OSC1.3 R54.1 U13.23
NetPB1_1: PB1.1 U15.3
NetQ1_1: Q1.1 R48.2 R49.1
NetQ2_1: Q2.1 U12.4
NetQ2_2: Q2.2 U12.3
NetQ2_4: Q2.4 R51.1 U13.141
NetQ3_1: Q3.1 R50.1
NetQ3_4: Q3.4 U12.2
NetR1_5: R1.5 R1.8
NetR2_1: R2.1 R4.2 U1.4
NetR3_2: R3.2 R34.2 U2.3
NetR5_2: R5.2 U2.5
NetR8_1: R8.1 R11.2 U3.4
NetR9_2: R9.2 R72.2 U4.3
NetR10_2: R10.2 U4.5
NetR12_1: R12.1 R14.2 U5.4
NetR13_1: R13.1 U6.24
NetR13_2: R13.2 U13.14
NetR15_1: R15.1 U6.23
NetR15_2: R15.2 U13.15
NetR16_1: R16.1 U6.28
NetR16_2: R16.2 U13.69
NetR17_1: R17.1 U6.27
NetR17_2: R17.2 U13.28
NetR18_1: R18.1 U6.26
NetR18_2: R18.2 U13.22
NetR19_1: R19.1 R22.2 U7.4
NetR21_1: R21.1 R54.2 R55.2 U6.3
NetR24_1: R24.1 U6.25
NetR24_2: R24.2 U13.21
NetR26_1: R26.1 U6.8
NetR26_2: R26.2 U13.12
NetR27_1: R27.1 U6.7
NetR27_2: R27.2 U13.13
NetR31_1: R31.1 U10.2
NetR32_1: R32.1 U9.8
NetR35_1: R35.1 U9.9
NetR36_1: R36.1 U13.18
NetR36_2: R36.2 U9.1
NetR37_1: R37.1 U13.19
NetR37_2: R37.2 U9.16
NetR38_1: R38.1 U13.20
NetR38_2: R38.2 U9.2
NetR43_2: R43.2 U11.2
NetR44_2: R44.2 R46.1 U11.3
NetR52_2: R52.2 U14.3
NetR55_1: R55.1 U13.97
NetR57_2: R57.2 U14.12
NetR62_2: R62.2 U15.4
NetR63_5: R63.5 R63.6 R63.7 R63.8
NetR64_2: R64.2 R67.5 U17.14
NetR66_1: R66.1 R67.6 U17.11
NetR66_2: R66.2 R66.3 U17.10
NetR66_4: R66.4 R67.7 U17.8
NetR67_8: R67.8 U17.7
NetR68_2: R68.2 U17.24
NetR70_1: R70.1 U13.138 U18.3
NetR71_1: R71.1 U13.140 U18.1
NetU13_96: U13.96 U14.1
NetU13_124: U13.124 U14.10
NRST: J10.2 R61.2 U15.1
PA1_REF_CLK: R67.4 U13.35
PA2_MDIO: R65.2 U13.36 U17.12
PA7_CSR_DV: R67.3 U13.43
PB13_TXD1: U13.74 U17.18
PC1_MDC: U13.27 U17.13
PC4_RXD0: R67.2 U13.44
PC5_RXD1: R67.1 U13.45
PG11_TX_EN: U13.126 U17.16
PG13_TXD0: U13.128 U17.17
ProbeEEPROM_SCL: J6.14 R60.2 U13.11
ProbeEEPROM_SDA: J6.7 R59.2 U13.10
RD_N: D5.1 R63.2 U16.9 U17.22
RD_P: D5.3 R63.1 U16.8 U17.23
TD_N: D5.4 R63.4 U16.3 U17.20
TD_P: D5.6 R63.3 U16.2 U17.21
VCalibr: R31.2 U9.7 U9.11 U10.6
VDDA_Eth: C71.1 C77.2 C78.2 C79.2 C82.2 C85.2 D5.5 L14.1 U16.1 U16.4 U16.7 U16.10 U17.1 U17.19
VHall1N: J6.11 R23.1
VHall1P: J6.12 R20.1
VHall2N: J6.3 R28.1
VHall2P: J6.4 R25.1
pads on no net: C70.1 C70.2 J4.4 J5.0 J6.5 J6.6 J6.13 J6.16 K1.5 K1.6 K1.7 PB1.3 PB1.4 R7.4 R7.5 R33.3 R33.4 R33.5 R33.6 R33.9 U6.4 U10.1 U10.5 U10.8 U11.4 U13.1 U13.2 U13.3 U13.4 U13.5 U13.7 U13.8 U13.9 U13.24 U13.25 U13.26 U13.29 U13.34 U13.37 U13.40 U13.41 U13.42 U13.46 U13.47 U13.48 U13.49 U13.50 U13.53 U13.54 U13.55 U13.56 U13.57 U13.58 U13.59 U13.60 U13.63 U13.64 U13.65 U13.66 U13.67 U13.68 U13.70 U13.73 U13.75 U13.76 U13.77 U13.78 U13.79 U13.80 U13.81 U13.82 U13.85 U13.86 U13.87 U13.88 U13.89 U13.90 U13.91 U13.92 U13.93 U13.98 U13.99 U13.100 U13.101 U13.102 U13.103 U13.104 U13.105 U13.109 U13.110 U13.111 U13.112 U13.113 U13.114 U13.115 U13.116 U13.117 U13.118 U13.119 U13.122 U13.123 U13.125 U13.127 U13.129 U13.132 U13.133 U13.134 U13.135 U13.136 U13.137 U13.139 U13.142 U13.143 U14.6 U14.8 U16.5 U16.6 U16.11 U16.12 U16.18 U18.5

## Silkscreen, mask and mechanical layers (free items; w line width, h text height)
Top Solder:
  text "BPC HALL METER 12.25" at 50.1,76.225 h4
Bottom Solder:
  text "BPC HALL METER 12.25" at 82.25,66.25 h4
Mechanical 3:
  lines w0.1: -123.975,-44.9 -123.975,-45.4 -123.975,-44.4
  lines w0.4: 18.895,102 107,102 ; 19.224,0 107.075,0
  lines w0.5: 6.499,89 0,89 0,13 ; 6.499,89.003 ccw(c-0.31,107.94) 18.916,101.994 ; 19.224,0.003 ccw(c1.217,-4.414) 7.365,13.078 7.287,13 0,13 ; 107.009,102.003 ccw(c126.23,107.966) 119.5,89 126,89 ; 107.075,-0.025 cw(c126.31,-5.94) 119.501,12.997 ; 119.501,13 126,13 ; 126.025,13 126.025,88 126.025,88.975 ; 0,13 0,13
Mechanical 16:
  lines w0.2: -138.325,136.875 -100.825,136.875
  lines w0.4: -170.475,130.475 -159.325,130.475 33.175,130.475 ; -170.475,143.275 -158.825,143.275 33.425,143.275
Mechanical 19:
  lines w0.4: 10.089,131.955 10.089,148.155

## Dimensions
0.025,20.6 to 206.025,12.6 on Mechanical 16

## Text inside footprints (layer, text, board x,y; h text height)
D3: Top Overlay "-" at 22.895,87.73 h2; Top Overlay "+" at 21.8,94.57 h1.8; Mechanical 14 "-" at 22.895,87.73 h2; Mechanical 14 "+" at 21.8,94.57 h1.8
D4: Top Overlay "-" at 29.895,76.23 h2; Top Overlay "+" at 28.8,83.07 h1.8; Mechanical 14 "-" at 29.895,76.23 h2; Mechanical 14 "+" at 28.8,83.07 h1.8
J4: Top Overlay "1" at 52.48,99.145 h1; Mechanical 14 "1" at 52.48,99.145 h1
J5: Top Overlay "GR" at 85.795,88.305 h1; Top Overlay "YL" at 69.285,88.305 h1
J6: Top Overlay "9" at 92.271,9.962 h1.5 r180; Top Overlay "1" at 92.144,12.502 h1.5 r180; Top Overlay "8" at 69.954,12.502 h1.5 r180; Top Overlay "15" at 69.954,9.962 h1.5 r180
U13: Top Overlay "REFDES" at 45.622,24.435 h1.27 r180; Top Overlay "RefDes" at 45.305,24.435 h1.27 r180; Top Overlay "*" at 56.011,15.054 h1.27 r180; Mechanical 13 "RefDes2" at 45.622,24.435 h1.27 r180; Mechanical 13 "*" at 53.433,15.435 h1.27 r180